# Altium PCB PCB2.PcbDoc (part 3 of 5)
Units mil, origin at the board's own origin, x right, y up, seen from the top; angles counter-clockwise.
Board outline 7251.01 x 4901 mil, 2 copper layers (Top Layer, Bottom Layer); 561 components, 222 nets, 3589 pads, 148 vias.
Unrouted connection lines stored in the file: 457.
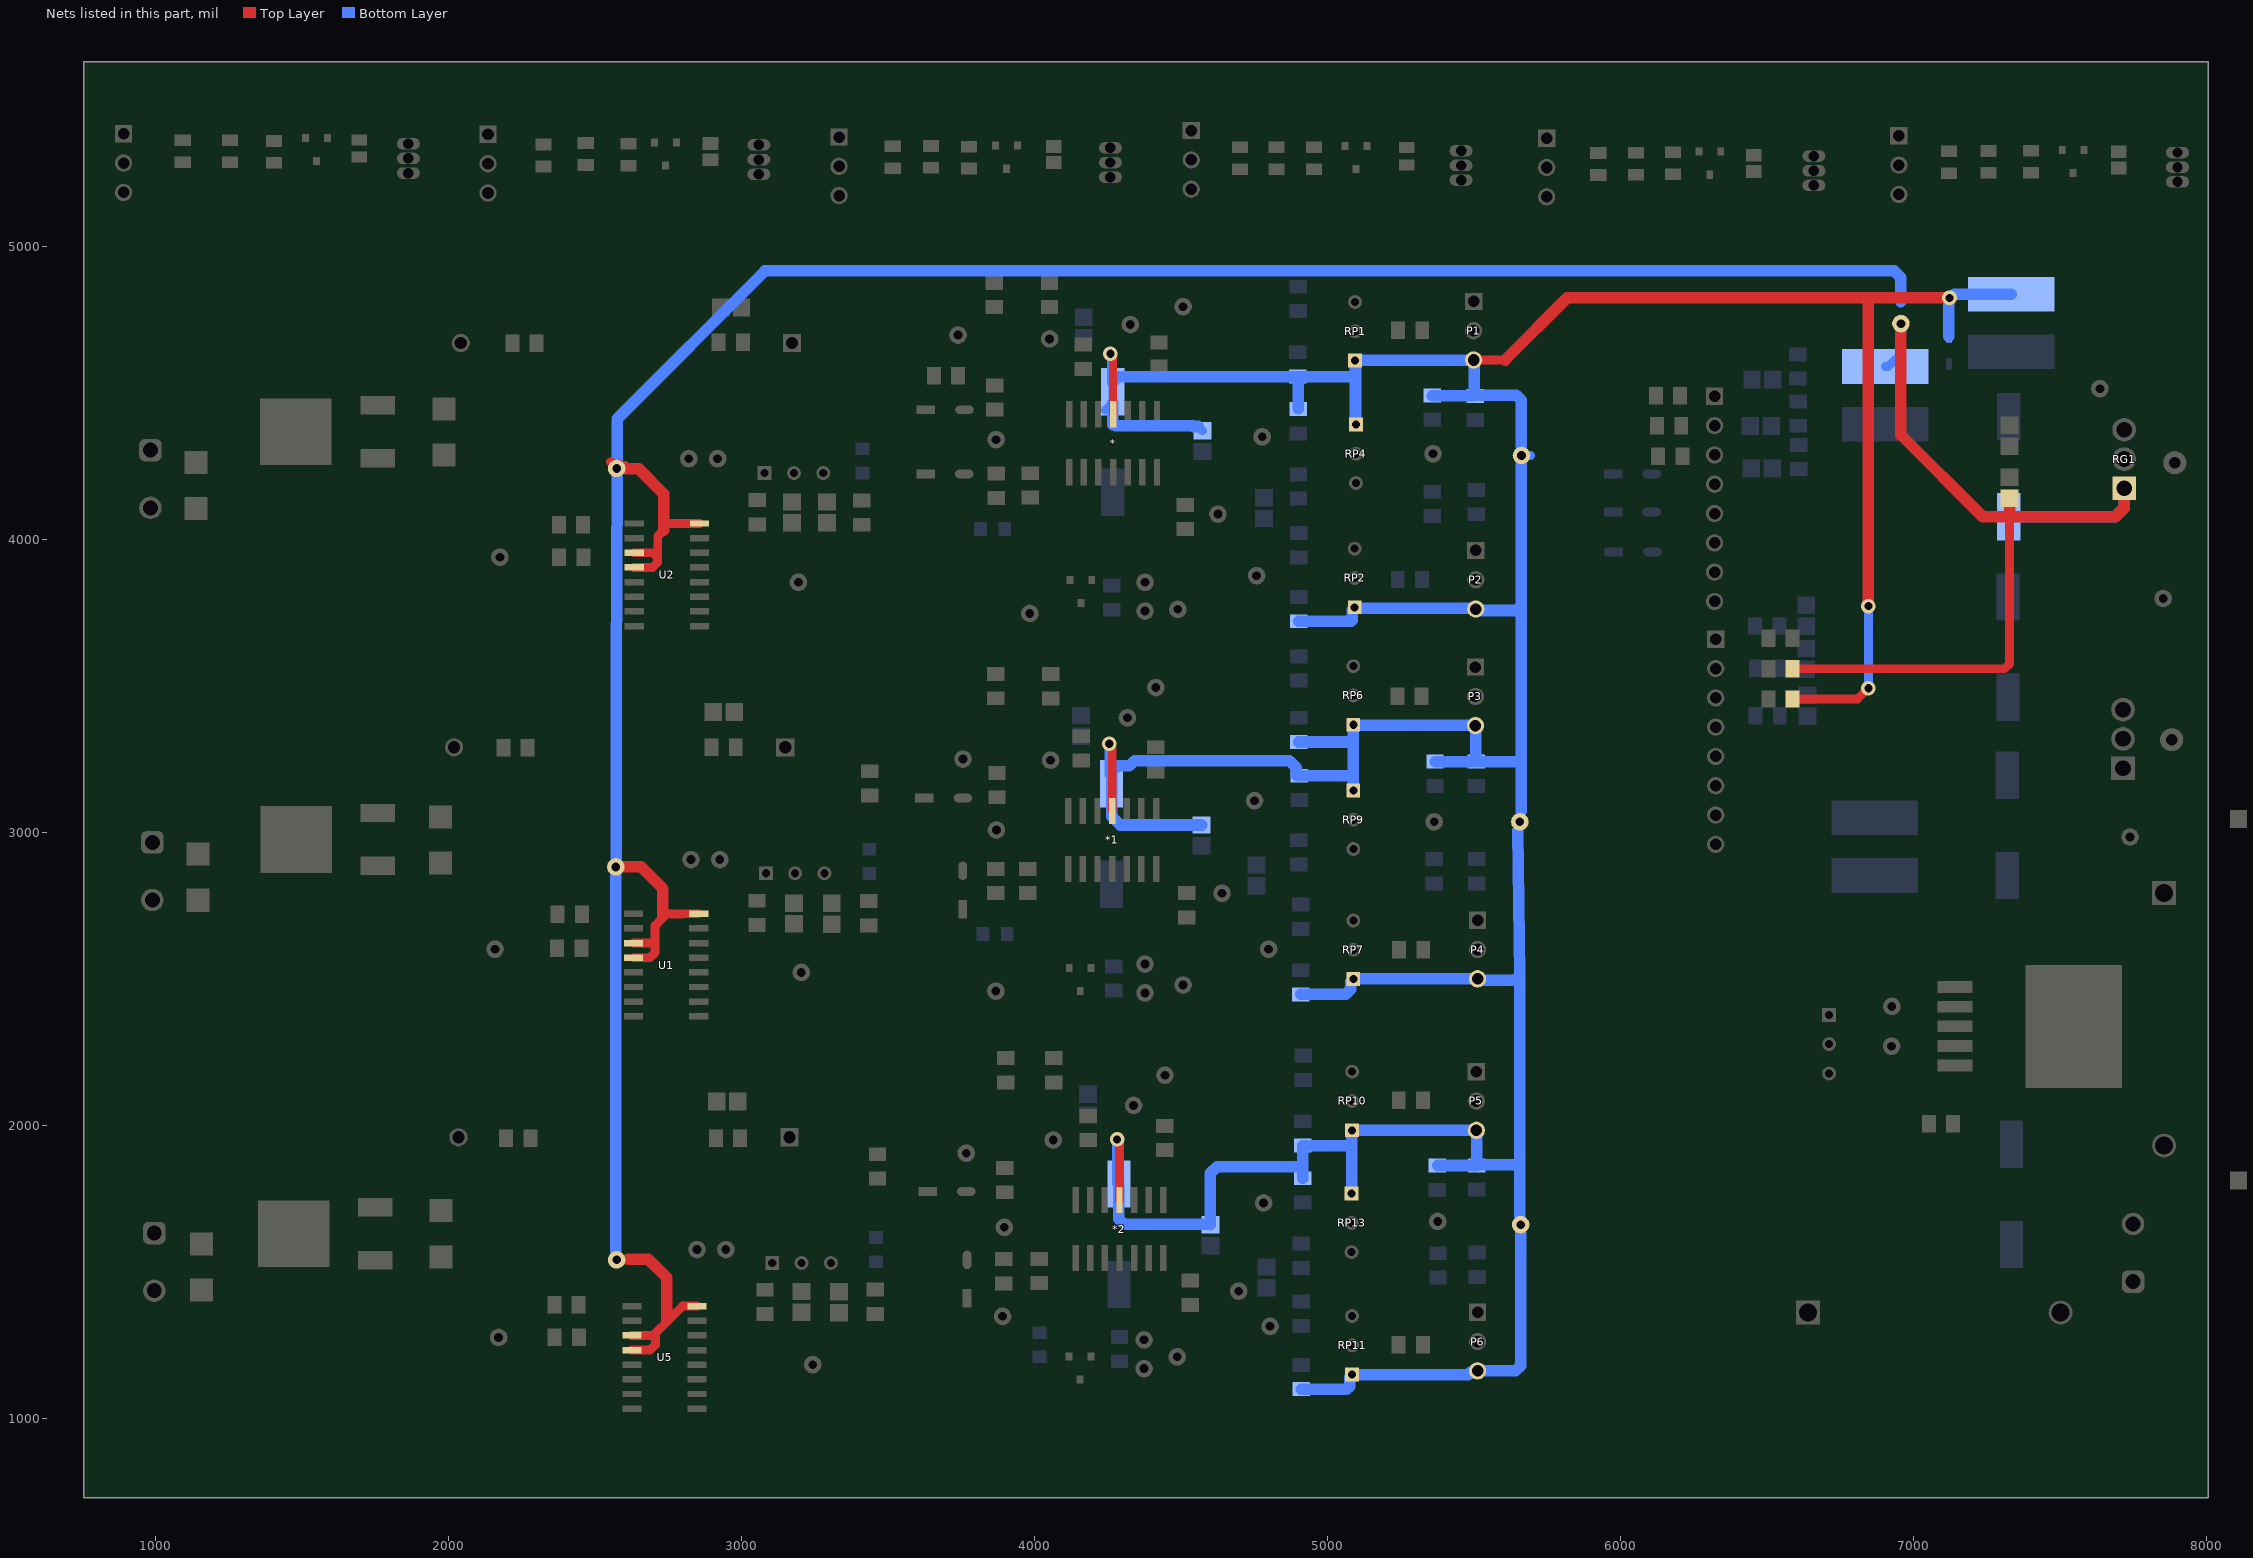
[diagram p3: the nets of this part, all layers, seen from the top]

## Free pads (board coordinates)
  round 10 on Mech6: 1(742,3635) 1(748,2297) 1(7991,2297)
  round 0.98 on Mech7: 1(779.96,3975.65) 1(779.96,3975.65) 1(779.96,4432.35) 1(779.96,4432.35) 1(783.28,2638.07) 1(783.28,2638.07) 1(783.28,3094.76) 1(783.28,3094.76) 1(789.96,1304.65) 1(789.96,1304.65) 1(789.96,1761.35) 1(789.96,1761.35) 1(945.31,4204) 1(948.63,2866.42) 1(955.32,1533) 1(965,4184.31) 1(965,4223.68) 1(968.31,2846.73) 1(968.31,2886.1) 1(975,1513.32) 1(975,1552.69) 1(984.68,4204) 1(988,2866.42) 1(994.69,1533) 1(1150.04,3975.65) 1(1150.04,3975.65) 1(1150.04,4432.35) 1(1150.04,4432.35) 1(1153.35,2638.07) 1(1153.35,2638.07) 1(1153.35,3094.76) 1(1153.35,3094.76) 1(1160.04,1304.65) 1(1160.04,1304.65) 1(1160.04,1761.35) 1(1160.04,1761.35) 1(7583.65,1792.78) 1(7583.65,1792.78) 1(7749,1564.43) 1(7768.69,1544.75) 1(7768.69,1584.12) 1(7788.37,1564.43) 1(7953.73,1336.09) 1(7953.73,1336.09) 1(7953.73,1792.78) 1(7953.73,1792.78)
  round 3.94 on Mech14: 1(787.83,4007.15) 1(787.83,4007.15) 1(787.83,4400.85) 1(787.83,4400.85) 1(791.15,2669.57) 1(791.15,2669.57) 1(791.15,3063.27) 1(791.15,3063.27) 1(797.83,1336.15) 1(797.83,1336.15) 1(797.83,1729.85) 1(797.83,1729.85) 1(815.4,3983.52) 1(815.4,3983.52) 1(818.72,2645.94) 1(818.72,2645.94) 1(825.24,4007.15) 1(825.24,4007.15) 1(825.4,1312.52) 1(825.4,1312.52) 1(828.55,2669.57) 1(828.55,2669.57) 1(835.24,1336.15) 1(835.24,1336.15) 1(852.8,4007.15) 1(852.81,4007.15) 1(856.11,2669.57) 1(856.13,2669.57) 1(862.65,3983.52) 1(862.65,3983.52) 1(862.8,1336.15) 1(862.81,1336.15) 1(865.96,2645.94) 1(865.96,2645.94) 1(872.65,1312.52) 1(872.65,1312.52) 1(1020.12,4424.48) 1(1020.12,4424.48) 1(1023.43,3086.89) 1(1023.43,3086.89) 1(1029.95,4400.85) 1(1029.95,4400.85) 1(1030.12,1753.48) 1(1030.12,1753.48) 1(1033.27,3063.27) 1(1033.27,3063.27) 1(1039.95,1729.85) 1(1039.95,1729.85) 1(1057.52,4400.85) 1(1057.53,4400.85) 1(1060.83,3063.27) 1(1060.84,3063.27) 1(1067.36,4424.48) 1(1067.36,4424.48) 1(1067.52,1729.85) 1(1067.53,1729.85) 1(1070.68,3086.89) 1(1070.68,3086.89) 1(1077.36,1753.48) 1(1077.36,1753.48) 1(1142.17,4007.15) 1(1142.17,4007.15) 1(1142.17,4400.85) 1(1142.17,4400.85) 1(1145.48,2669.57) 1(1145.48,2669.57) 1(1145.48,3063.27) 1(1145.48,3063.27) 1(1152.17,1336.15) 1(1152.17,1336.15) 1(1152.17,1729.85) 1(1152.17,1729.85) 1(2985.48,4127.17) 1(2985.48,4127.17) 1(2985.48,4322.44) 1(2985.48,4322.44) 1(2989.48,2761.36) 1(2989.48,2761.36) 1(2989.48,2956.64) 1(2989.48,2956.64) 1(3011.48,1431.17) 1(3011.48,1431.17) 1(3011.48,1626.44) 1(3011.48,1626.44) 1(3370.52,4127.17) 1(3370.52,4127.17) 1(3370.52,4322.44) 1(3370.52,4322.44) 1(3374.52,2761.36) 1(3374.52,2761.36) 1(3374.52,2956.64) 1(3374.52,2956.64) 1(3396.52,1431.17) 1(3396.52,1431.17) 1(3396.52,1626.44) 1(3396.52,1626.44) 1(6330.2,4517.55) 1(6605.8,4517.55) 1(6613.17,2083.48) 1(6613.17,2083.48) 1(6613.17,2468.52) 1(6613.17,2468.52) 1(6747.2,2954.45) 1(6808.44,2083.48) 1(6808.44,2083.48) 1(6808.44,2468.52) 1(6808.44,2468.52) 1(7116.24,2875.1) 1(7116.24,2875.1) 1(7116.24,3225.5) 1(7116.24,3225.5) 1(7119.24,3428.24) 1(7119.24,3428.24) 1(7119.24,3778.64) 1(7119.24,3778.64) 1(7121.24,4099.36) 1(7121.24,4099.36) 1(7121.24,4449.76) 1(7121.24,4449.76) 1(7127.24,1400.36) 1(7127.24,1400.36) 1(7217.62,2819.98) 1(7217.62,2819.98) 1(7220.62,3833.76) 1(7220.62,3833.76) 1(7222.62,4044.24) 1(7222.62,4044.24) 1(7240.26,2819.98) 1(7240.26,3225.5) 1(7243.26,3428.24) 1(7243.26,3833.76) 1(7245.26,4044.24) 1(7245.26,4449.76) 1(7319,2747.15) 1(7319,2747.15) 1(7319,2747.15) 1(7319,2751.09) 1(7319,2751.09) 1(7319,2751.09) 1(7322,3902.65) 1(7322,3902.65) 1(7322,3902.65) 1(7322,3906.59) 1(7322,3906.59) 1(7322,3906.59) 1(7324,3971.41) 1(7324,3971.41) 1(7324,3971.41) 1(7324,3975.35) 1(7324,3975.35) 1(7324,3975.35) 1(7397.74,2819.98) 1(7397.74,3225.5) 1(7400.74,3428.24) 1(7400.74,3833.76) 1(7402.74,4044.24) 1(7402.74,4449.76) 1(7408.74,1750.76) 1(7420.38,2819.98) 1(7420.38,2819.98) 1(7423.38,3833.76) 1(7423.38,3833.76) 1(7425.38,4044.24) 1(7425.38,4044.24) 1(7521.76,2875.1) 1(7521.76,2875.1) 1(7521.76,3225.5) 1(7521.76,3225.5) 1(7524.76,3428.24) 1(7524.76,3428.24) 1(7524.76,3778.64) 1(7524.76,3778.64) 1(7526.76,4099.36) 1(7526.76,4099.36) 1(7526.76,4449.76) 1(7526.76,4449.76) 1(7532.76,1400.36) 1(7532.76,1400.36) 1(7532.76,1750.76) 1(7532.76,1750.76) 1(7591.52,1761.28) 1(7591.52,1761.28) 1(7871.04,1784.91) 1(7871.04,1784.91) 1(7880.87,1761.28) 1(7880.89,1761.28) 1(7908.45,1761.28) 1(7908.45,1761.28) 1(7918.28,1784.91) 1(7918.28,1784.91) 1(7945.85,1367.58) 1(7945.85,1367.58) 1(7945.85,1761.28) 1(7945.85,1761.28)
  round 40 on Mech11: 1(837,4783) 1(907,1024) 1(1077,4783) 1(1147,1024) 1(7640,979) 1(7680,4782) 1(7880,979) 1(7920,4782)
  round 40 on Mech10: 1(838,4786) 1(909,1024) 1(1078,4786) 1(1149,1024) 1(7641,976) 1(7677,4783) 1(7881,976) 1(7917,4783)
  round 240 on Mech11: 1(957,4783) 1(1027,1024) 1(7760,979) 1(7800,4782)
  round 240 on Mech10: 1(958,4786) 1(1029,1024) 1(7761,976) 1(7797,4783)
  round 3.94 on Mech4: 1(1075.58,4060.95) 1(1075.58,4060.95) 1(1075.58,4060.95) 1(1075.58,4060.95) 1(1075.58,4305.05) 1(1075.58,4305.05) 1(1075.58,4305.05) 1(1075.58,4305.05) 1(1082.58,2723.95) 1(1082.58,2723.95) 1(1082.58,2723.95) 1(1082.58,2723.95) 1(1082.58,2968.05) 1(1082.58,2968.05) 1(1082.58,2968.05) 1(1082.58,2968.05) 1(1094.58,1392.95) 1(1094.58,1392.95) 1(1094.58,1392.95) 1(1094.58,1392.95) 1(1094.58,1637.05) 1(1094.58,1637.05) 1(1094.58,1637.05) 1(1094.58,1637.05) 1(1198.42,4060.95) 1(1198.42,4060.95) 1(1198.42,4060.95) 1(1198.42,4060.95) 1(1198.42,4305.05) 1(1198.42,4305.05) 1(1198.42,4305.05) 1(1198.42,4305.05) 1(1205.42,2723.95) 1(1205.42,2723.95) 1(1205.42,2723.95) 1(1205.42,2723.95) 1(1205.42,2968.05) 1(1205.42,2968.05) 1(1205.42,2968.05) 1(1205.42,2968.05) 1(1217.42,1392.95) 1(1217.42,1392.95) 1(1217.42,1392.95) 1(1217.42,1392.95) 1(1217.42,1637.05) 1(1217.42,1637.05) 1(1217.42,1637.05) 1(1217.42,1637.05) 1(1344.02,1492.58) 1(1344.02,1492.58) 1(1344.02,1492.58) 1(1344.02,1492.58) 1(1344.02,1765.42) 1(1344.02,1765.42) 1(1344.02,1765.42) 1(1344.02,1765.42) 1(1353.02,2838.58) 1(1353.02,2838.58) 1(1353.02,2838.58) 1(1353.02,2838.58) 1(1353.02,3111.42) 1(1353.02,3111.42) 1(1353.02,3111.42) 1(1353.02,3111.42) 1(1388.02,4229.58) 1(1388.02,4229.58) 1(1388.02,4229.58) 1(1388.02,4229.58) 1(1388.02,4502.42) 1(1388.02,4502.42) 1(1388.02,4502.42) 1(1388.02,4502.42) 1(1812.13,1492.58) 1(1812.13,1492.58) 1(1812.13,1492.58) 1(1812.13,1492.58) 1(1812.13,1765.42) 1(1812.13,1765.42) 1(1812.13,1765.42) 1(1812.13,1765.42) 1(1821.13,2838.58) 1(1821.13,2838.58) 1(1821.13,2838.58) 1(1821.13,2838.58) 1(1821.13,3111.42) 1(1821.13,3111.42) 1(1821.13,3111.42) 1(1821.13,3111.42) 1(1856.13,4229.58) 1(1856.13,4229.58) 1(1856.13,4229.58) 1(1856.13,4229.58) 1(1856.13,4502.42) 1(1856.13,4502.42) 1(1856.13,4502.42) 1(1856.13,4502.42) 1(1910.58,2850.95) 1(1910.58,2850.95) 1(1910.58,2850.95) 1(1910.58,2850.95) 1(1910.58,3095.05) 1(1910.58,3095.05) 1(1910.58,3095.05) 1(1910.58,3095.05) 1(1912.58,1506.95) 1(1912.58,1506.95) 1(1912.58,1506.95) 1(1912.58,1506.95) 1(1912.58,1751.05) 1(1912.58,1751.05) 1(1912.58,1751.05) 1(1912.58,1751.05) 1(1921.58,4242.95) 1(1921.58,4242.95) 1(1921.58,4242.95) 1(1921.58,4242.95) 1(1921.58,4487.05) 1(1921.58,4487.05) 1(1921.58,4487.05) 1(1921.58,4487.05) 1(2033.42,2850.95) 1(2033.42,2850.95) 1(2033.42,2850.95) 1(2033.42,2850.95) 1(2033.42,3095.05) 1(2033.42,3095.05) 1(2033.42,3095.05) 1(2033.42,3095.05) 1(2035.42,1506.95) 1(2035.42,1506.95) 1(2035.42,1506.95) 1(2035.42,1506.95) 1(2035.42,1751.05) 1(2035.42,1751.05) 1(2035.42,1751.05) 1(2035.42,1751.05) 1(2044.42,4242.95) 1(2044.42,4242.95) 1(2044.42,4242.95) 1(2044.42,4242.95) 1(2044.42,4487.05) 1(2044.42,4487.05) 1(2044.42,4487.05) 1(2044.42,4487.05) 1(2142.56,3237.63) 1(2142.56,3237.63) 1(2142.56,3237.63) 1(2142.56,3237.63) 1(2142.56,3336.37) 1(2142.56,3336.37) 1(2142.56,3336.37) 1(2142.56,3336.37) 1(2152.19,1905.63) 1(2152.19,1905.63) 1(2152.19,1905.63) 1(2152.19,1905.63) 1(2152.19,2004.37) 1(2152.19,2004.37) 1(2152.19,2004.37) 1(2152.19,2004.37) 1(2173.56,4618.63) 1(2173.56,4618.63) 1(2173.56,4618.63) 1(2173.56,4618.63) 1(2173.56,4717.37) 1(2173.56,4717.37) 1(2173.56,4717.37) 1(2173.56,4717.37) 1(2312.18,3237.63) 1(2312.18,3237.63) 1(2312.18,3237.63) 1(2312.18,3237.63) 1(2312.18,3336.37) 1(2312.18,3336.37) 1(2312.18,3336.37) 1(2312.18,3336.37) 1(2316.82,1337.63) 1(2316.82,1337.63) 1(2316.82,1337.63) 1(2316.82,1337.63) 1(2316.82,1436.37) 1(2316.82,1436.37) 1(2316.82,1436.37) 1(2316.82,1436.37) 1(2317.82,1226.63) 1(2317.82,1226.63) 1(2317.82,1226.63) 1(2317.82,1226.63) 1(2317.82,1325.37) 1(2317.82,1325.37) 1(2317.82,1325.37) 1(2317.82,1325.37) 1(2321.81,1905.63) 1(2321.81,1905.63) 1(2321.81,1905.63) 1(2321.81,1905.63) 1(2321.81,2004.37) 1(2321.81,2004.37) 1(2321.81,2004.37) 1(2321.81,2004.37) 1(2326.19,2554.63) 1(2326.19,2554.63) 1(2326.19,2554.63) 1(2326.19,2554.63) 1(2326.19,2653.37) 1(2326.19,2653.37) 1(2326.19,2653.37) 1(2326.19,2653.37) 1(2327.82,2669.63) 1(2327.82,2669.63) 1(2327.82,2669.63) 1(2327.82,2669.63) 1(2327.82,2768.37) 1(2327.82,2768.37) 1(2327.82,2768.37) 1(2327.82,2768.37) 1(2332.19,3999.63) 1(2332.19,3999.63) 1(2332.19,3999.63) 1(2332.19,3999.63) 1(2332.19,4098.37) 1(2332.19,4098.37) 1(2332.19,4098.37) 1(2332.19,4098.37) 1(2333.19,3888.63) 1(2333.19,3888.63) 1(2333.19,3888.63) 1(2333.19,3888.63) 1(2333.19,3987.37) 1(2333.19,3987.37) 1(2333.19,3987.37) 1(2333.19,3987.37) 1(2343.18,4618.63) 1(2343.18,4618.63) 1(2343.18,4618.63) 1(2343.18,4618.63) 1(2343.18,4717.37) 1(2343.18,4717.37) 1(2343.18,4717.37) 1(2343.18,4717.37) 1(2486.44,1337.63) 1(2486.44,1337.63) 1(2486.44,1337.63) 1(2486.44,1337.63) 1(2486.44,1436.37) 1(2486.44,1436.37) 1(2486.44,1436.37) 1(2486.44,1436.37) 1(2487.44,1226.63) 1(2487.44,1226.63) 1(2487.44,1226.63) 1(2487.44,1226.63) 1(2487.44,1325.37) 1(2487.44,1325.37) 1(2487.44,1325.37) 1(2487.44,1325.37) 1(2495.81,2554.63) 1(2495.81,2554.63) 1(2495.81,2554.63) 1(2495.81,2554.63) 1(2495.81,2653.37) 1(2495.81,2653.37) 1(2495.81,2653.37) 1(2495.81,2653.37) 1(2497.44,2669.63) 1(2497.44,2669.63) 1(2497.44,2669.63) 1(2497.44,2669.63) 1(2497.44,2768.37) 1(2497.44,2768.37) 1(2497.44,2768.37) 1(2497.44,2768.37) 1(2501.81,3999.63) 1(2501.81,3999.63) 1(2501.81,3999.63) 1(2501.81,3999.63) 1(2501.81,4098.37) 1(2501.81,4098.37) 1(2501.81,4098.37) 1(2501.81,4098.37) 1(2502.81,3888.63) 1(2502.81,3888.63) 1(2502.81,3888.63) 1(2502.81,3888.63) 1(2502.81,3987.37) 1(2502.81,3987.37) 1(2502.81,3987.37) 1(2502.81,3987.37) 1(2853.19,3239.63) 1(2853.19,3239.63) 1(2853.19,3239.63) 1(2853.19,3239.63) 1(2853.19,3338.37) 1(2853.19,3338.37) 1(2853.19,3338.37) 1(2853.19,3338.37) 1(2868.19,1905.63) 1(2868.19,1905.63) 1(2868.19,1905.63) 1(2868.19,1905.63) 1(2868.19,2004.37) 1(2868.19,2004.37) 1(2868.19,2004.37) 1(2868.19,2004.37) 1(2877.19,4621.63) 1(2877.19,4621.63) 1(2877.19,4621.63) 1(2877.19,4621.63) 1(2877.19,4720.37) 1(2877.19,4720.37) 1(2877.19,4720.37) 1(2877.19,4720.37) 1(2981.54,4123.23) 1(2981.54,4123.23) 1(2981.54,4123.23) 1(2981.54,4123.23) 1(2981.54,4326.38) 1(2981.54,4326.38) 1(2981.54,4326.38) 1(2981.54,4326.38) 1(2985.54,2757.43) 1(2985.54,2757.43) 1(2985.54,2757.43) 1(2985.54,2757.43) 1(2985.54,2960.57) 1(2985.54,2960.57) 1(2985.54,2960.57) 1(2985.54,2960.57) 1(3002.63,2639.19) 1(3002.63,2639.19) 1(3002.63,2639.19) 1(3002.63,2639.19) 1(3002.63,2808.81) 1(3002.63,2808.81) 1(3002.63,2808.81) 1(3002.63,2808.81) 1(3003.63,4006.82) 1(3003.63,4006.82) 1(3003.63,4006.82) 1(3003.63,4006.82) 1(3003.63,4176.44) 1(3003.63,4176.44) 1(3003.63,4176.44) 1(3003.63,4176.44) 1(3007.54,1427.23) 1(3007.54,1427.23) 1(3007.54,1427.23) 1(3007.54,1427.23) 1(3007.54,1630.38) 1(3007.54,1630.38) 1(3007.54,1630.38) 1(3007.54,1630.38) 1(3022.81,3239.63) 1(3022.81,3239.63) 1(3022.81,3239.63) 1(3022.81,3239.63) 1(3022.81,3338.37) 1(3022.81,3338.37) 1(3022.81,3338.37) 1(3022.81,3338.37) 1(3029.63,1311.56) 1(3029.63,1311.56) 1(3029.63,1311.56) 1(3029.63,1311.56) 1(3029.63,1481.18) 1(3029.63,1481.18) 1(3029.63,1481.18) 1(3029.63,1481.18) 1(3037.81,1905.63) 1(3037.81,1905.63) 1(3037.81,1905.63) 1(3037.81,1905.63) 1(3037.81,2004.37) 1(3037.81,2004.37) 1(3037.81,2004.37) 1(3037.81,2004.37) 1(3046.81,4621.63) 1(3046.81,4621.63) 1(3046.81,4621.63) 1(3046.81,4621.63) 1(3046.81,4720.37) 1(3046.81,4720.37) 1(3046.81,4720.37) 1(3046.81,4720.37) 1(3101.37,2639.19) 1(3101.37,2639.19) 1(3101.37,2639.19) 1(3101.37,2639.19) 1(3101.37,2808.81) 1(3101.37,2808.81) 1(3101.37,2808.81) 1(3101.37,2808.81) 1(3102.37,4006.82) 1(3102.37,4006.82) 1(3102.37,4006.82) 1(3102.37,4006.82) 1(3102.37,4176.44) 1(3102.37,4176.44) 1(3102.37,4176.44) 1(3102.37,4176.44) 1(3121.68,4006.23) 1(3121.68,4006.23) 1(3121.68,4006.23) 1(3121.68,4006.23) 1(3121.68,4175.77) 1(3121.68,4175.77) 1(3121.68,4175.77) 1(3121.68,4175.77) 1(3127.68,2637.23) 1(3127.68,2637.23) 1(3127.68,2637.23) 1(3127.68,2637.23) 1(3127.68,2806.77) 1(3127.68,2806.77) 1(3127.68,2806.77) 1(3127.68,2806.77) 1(3128.37,1311.56) 1(3128.37,1311.56) 1(3128.37,1311.56) 1(3128.37,1311.56) 1(3128.37,1481.18) 1(3128.37,1481.18) 1(3128.37,1481.18) 1(3128.37,1481.18) 1(3152.68,1311.77) 1(3152.68,1311.77) 1(3152.68,1311.77) 1(3152.68,1311.77) 1(3152.68,1481.3) 1(3152.68,1481.3) 1(3152.68,1481.3) 1(3152.68,1481.3) 1(3222.32,4006.23) 1(3222.32,4006.23) 1(3222.32,4006.23) 1(3222.32,4006.23) 1(3222.32,4175.77) 1(3222.32,4175.77) 1(3222.32,4175.77) 1(3222.32,4175.77) 1(3228.32,2637.23) 1(3228.32,2637.23) 1(3228.32,2637.23) 1(3228.32,2637.23) 1(3228.32,2806.77) 1(3228.32,2806.77) 1(3228.32,2806.77) 1(3228.32,2806.77) 1(3240.68,4006.23) 1(3240.68,4006.23) 1(3240.68,4006.23) 1(3240.68,4006.23) 1(3240.68,4175.77) 1(3240.68,4175.77) 1(3240.68,4175.77) 1(3240.68,4175.77) 1(3253.32,1311.77) 1(3253.32,1311.77) 1(3253.32,1311.77) 1(3253.32,1311.77) 1(3253.32,1481.3) 1(3253.32,1481.3) 1(3253.32,1481.3) 1(3253.32,1481.3) 1(3256.68,2636.23) 1(3256.68,2636.23) 1(3256.68,2636.23) 1(3256.68,2636.23) 1(3256.68,2805.77) 1(3256.68,2805.77) 1(3256.68,2805.77) 1(3256.68,2805.77) 1(3280.68,1310.23) 1(3280.68,1310.23) 1(3280.68,1310.23) 1(3280.68,1310.23) 1(3280.68,1479.77) 1(3280.68,1479.77) 1(3280.68,1479.77) 1(3280.68,1479.77) 1(3341.32,4006.23) 1(3341.32,4006.23) 1(3341.32,4006.23) 1(3341.32,4006.23) 1(3341.32,4175.77) 1(3341.32,4175.77) 1(3341.32,4175.77) 1(3341.32,4175.77) 1(3357.32,2636.23) 1(3357.32,2636.23) 1(3357.32,2805.77) 1(3357.32,2805.77) 1(3357.32,2636.23) 1(3357.32,2636.23) 1(3357.32,2805.77) 1(3357.32,2805.77) 1(3360.63,4005.19) 1(3360.63,4005.19) 1(3360.63,4005.19) 1(3360.63,4005.19) 1(3360.63,4174.81) 1(3360.63,4174.81) 1(3360.63,4174.81) 1(3360.63,4174.81) 1(3374.46,4123.23) 1(3374.46,4123.23) 1(3374.46,4123.23) 1(3374.46,4123.23) 1(3374.46,4326.38) 1(3374.46,4326.38) 1(3374.46,4326.38) 1(3374.46,4326.38) 1(3378.46,2757.43) 1(3378.46,2757.43) 1(3378.46,2757.43) 1(3378.46,2757.43) 1(3378.46,2960.57) 1(3378.46,2960.57) 1(3378.46,2960.57) 1(3378.46,2960.57) 1(3381.32,1310.23) 1(3381.32,1310.23) 1(3381.32,1479.77) 1(3381.32,1479.77) 1(3381.32,1310.23) 1(3381.32,1310.23) 1(3381.32,1479.77) 1(3381.32,1479.77) 1(3381.49,4200.07) 1(3381.49,4200.07) 1(3381.49,4200.07) 1(3381.49,4200.07) 1(3381.49,4333.93) 1(3381.49,4333.93) 1(3381.49,4333.93) 1(3381.49,4333.93) 1(3383.63,2638.19) 1(3383.63,2638.19) 1(3383.63,2638.19) 1(3383.63,2638.19) 1(3383.63,2807.81) 1(3383.63,2807.81) 1(3383.63,2807.81) 1(3383.63,2807.81) 1(3400.46,1427.23) 1(3400.46,1427.23) 1(3400.46,1427.23) 1(3400.46,1427.23) 1(3400.46,1630.38) 1(3400.46,1630.38) 1(3400.46,1630.38) 1(3400.46,1630.38) 1(3404.49,2833.07) 1(3404.49,2833.07) 1(3404.49,2833.07) 1(3404.49,2833.07) 1(3404.49,2966.93) 1(3404.49,2966.93) 1(3404.49,2966.93) 1(3404.49,2966.93) 1(3406.63,1312.19) 1(3406.63,1312.19) 1(3406.63,1312.19) 1(3406.63,1312.19) 1(3406.63,1481.81) 1(3406.63,1481.81) 1(3406.63,1481.81) 1(3406.63,1481.81) 1(3427.49,1508.07) 1(3427.49,1508.07) 1(3427.49,1508.07) 1(3427.49,1508.07) 1(3427.49,1641.93) 1(3427.49,1641.93) 1(3427.49,1641.93) 1(3427.49,1641.93) 1(3442.51,4200.07) 1(3442.51,4200.07) 1(3442.51,4200.07) 1(3442.51,4200.07) 1(3442.51,4333.93) 1(3442.51,4333.93) 1(3442.51,4333.93) 1(3442.51,4333.93) 1(3459.37,4005.19) 1(3459.37,4005.19) 1(3459.37,4005.19) 1(3459.37,4005.19) 1(3459.37,4174.81) 1(3459.37,4174.81) 1(3459.37,4174.81) 1(3459.37,4174.81) 1(3465.51,2833.07) 1(3465.51,2833.07) 1(3465.51,2833.07) 1(3465.51,2833.07) 1(3465.51,2966.93) 1(3465.51,2966.93) 1(3465.51,2966.93) 1(3465.51,2966.93) 1(3480.63,4005.19) 1(3480.63,4005.19) 1(3480.63,4005.19) 1(3480.63,4005.19) 1(3480.63,4174.81) 1(3480.63,4174.81) 1(3480.63,4174.81) 1(3480.63,4174.81) 1(3482.37,2638.19) 1(3482.37,2638.19) 1(3482.37,2638.19) 1(3482.37,2638.19) 1(3482.37,2807.81) 1(3482.37,2807.81) 1(3482.37,2807.81) 1(3482.37,2807.81) 1(3488.51,1508.07) 1(3488.51,1508.07) 1(3488.51,1508.07) 1(3488.51,1508.07) 1(3488.51,1641.93) 1(3488.51,1641.93) 1(3488.51,1641.93) 1(3488.51,1641.93) 1(3502.63,2639.19) 1(3502.63,2639.19) 1(3502.63,2639.19) 1(3502.63,2639.19) 1(3502.63,2808.81) 1(3502.63,2808.81) 1(3502.63,2808.81) 1(3502.63,2808.81) 1(3505.37,1312.19) 1(3505.37,1312.19) 1(3505.37,1312.19) 1(3505.37,1312.19) 1(3505.37,1481.81) 1(3505.37,1481.81) 1(3505.37,1481.81) 1(3505.37,1481.81) 1(3579.37,4005.19) 1(3579.37,4005.19) 1(3579.37,4005.19) 1(3579.37,4005.19) 1(3579.37,4174.81) 1(3579.37,4174.81) 1(3579.37,4174.81) 1(3579.37,4174.81) 1(3601.37,2639.19) 1(3601.37,2639.19) 1(3601.37,2639.19) 1(3601.37,2639.19) 1(3601.37,2808.81) 1(3601.37,2808.81) 1(3601.37,2808.81) 1(3601.37,2808.81) 1(6609.23,2079.54) 1(6609.23,2079.54) 1(6609.23,2079.54) 1(6609.23,2079.54) 1(6609.23,2472.46) 1(6609.23,2472.46) 1(6609.23,2472.46) 1(6609.23,2472.46) 1(6812.38,2079.54) 1(6812.38,2079.54) 1(6812.38,2079.54) 1(6812.38,2079.54) 1(6812.38,2472.46) 1(6812.38,2472.46) 1(6812.38,2472.46) 1(6812.38,2472.46) 1(7008.19,1955.63) 1(7008.19,1955.63) 1(7008.19,1955.63) 1(7008.19,1955.63) 1(7008.19,2054.37) 1(7008.19,2054.37) 1(7008.19,2054.37) 1(7008.19,2054.37) 1(7076.71,2123.22) 1(7076.71,2123.22) 1(7076.71,2123.22) 1(7076.71,2123.22) 1(7177.81,1955.63) 1(7177.81,1955.63) 1(7177.81,1955.63) 1(7177.81,1955.63) 1(7177.81,2054.37) 1(7177.81,2054.37) 1(7177.81,2054.37) 1(7177.81,2054.37) 1(7276.68,4090.23) 1(7276.68,4090.23) 1(7276.68,4090.23) 1(7276.68,4090.23) 1(7276.68,4259.77) 1(7276.68,4259.77) 1(7276.68,4259.77) 1(7276.68,4259.77) 1(7276.68,4267.77) 1(7276.68,4267.77) 1(7276.68,4267.77) 1(7276.68,4267.77) 1(7276.68,4437.3) 1(7276.68,4437.3) 1(7276.68,4437.3) 1(7276.68,4437.3) 1(7377.32,4090.23) 1(7377.32,4090.23) 1(7377.32,4090.23) 1(7377.32,4090.23) 1(7377.32,4259.77) 1(7377.32,4259.77) 1(7377.32,4259.77) 1(7377.32,4259.77) 1(7377.32,4267.77) 1(7377.32,4267.77) 1(7377.32,4267.77) 1(7377.32,4267.77) 1(7377.32,4437.3) 1(7377.32,4437.3) 1(7377.32,4437.3) 1(7377.32,4437.3) 1(7715.29,2123.22) 1(7715.29,2123.22) 1(7715.29,2123.22) 1(7715.29,2123.22) 1(7715.29,2550.78) 1(7715.29,2550.78) 1(7715.29,2550.78) 1(7715.29,2550.78)
  round 2.95 on Mech8: 1(1079.52,4093.04) 1(1079.52,4093.04) 1(1079.52,4272.96) 1(1079.52,4272.96) 1(1086.52,2756.04) 1(1086.52,2756.04) 1(1086.52,2935.96) 1(1086.52,2935.96) 1(1098.52,1425.04) 1(1098.52,1425.04) 1(1098.52,1604.96) 1(1098.52,1604.96) 1(1194.48,4093.04) 1(1194.48,4093.04) 1(1194.48,4272.96) 1(1194.48,4272.96) 1(1201.48,2756.04) 1(1201.48,2756.04) 1(1201.48,2935.96) 1(1201.48,2935.96) 1(1213.48,1425.04) 1(1213.48,1425.04) 1(1213.48,1604.96) 1(1213.48,1604.96) 1(1914.52,2883.04) 1(1914.52,2883.04) 1(1914.52,3062.96) 1(1914.52,3062.96) 1(1916.52,1539.04) 1(1916.52,1539.04) 1(1916.52,1718.96) 1(1916.52,1718.96) 1(1925.52,4275.04) 1(1925.52,4275.04) 1(1925.52,4454.96) 1(1925.52,4454.96) 1(2029.48,2883.04) 1(2029.48,2883.04) 1(2029.48,3062.96) 1(2029.48,3062.96) 1(2031.48,1539.04) 1(2031.48,1539.04) 1(2031.48,1718.96) 1(2031.48,1718.96) 1(2040.48,4275.04) 1(2040.48,4275.04) 1(2040.48,4454.96) 1(2040.48,4454.96)
  round 3.94 on Mech6: 1(1079.52,4093.04) 1(1079.52,4272.96) 1(1082.67,4163.32) 1(1086.52,2756.04) 1(1086.52,2935.96) 1(1089.67,2826.32) 1(1098.52,1425.04) 1(1098.52,1604.96) 1(1101.67,1495.32) 1(1191.33,4163.32) 1(1194.48,4093.04) 1(1194.48,4272.96) 1(1198.33,2826.32) 1(1201.48,2756.04) 1(1201.48,2935.96) 1(1210.33,1495.32) 1(1213.48,1425.04) 1(1213.48,1604.96) 1(1424.92,1496.52) 1(1424.92,1496.52) 1(1424.92,1500.06) 1(1424.92,1757.94) 1(1424.92,1761.48) 1(1424.92,1761.48) 1(1433.92,2842.52) 1(1433.92,2842.52) 1(1433.92,2846.06) 1(1433.92,3103.94) 1(1433.92,3107.48) 1(1433.92,3107.48) 1(1468.92,4233.52) 1(1468.92,4233.52) 1(1468.92,4237.06) 1(1468.92,4494.94) 1(1468.92,4498.48) 1(1468.92,4498.48) 1(1669.8,1496.52) 1(1669.8,1496.52) 1(1669.8,1761.48) 1(1669.8,1761.48) 1(1678.8,2842.52) 1(1678.8,2842.52) 1(1678.8,3107.48) 1(1678.8,3107.48) 1(1713.8,4233.52) 1(1713.8,4233.52) 1(1713.8,4498.48) 1(1713.8,4498.48) 1(1914.52,2883.04) 1(1914.52,3062.96) 1(1916.52,1539.04) 1(1916.52,1718.96) 1(1917.67,2992.69) 1(1919.67,1648.69) 1(1925.52,4275.04) 1(1925.52,4454.96) 1(1928.67,4384.68) 1(2026.33,2992.69) 1(2028.33,1648.69) 1(2029.48,2883.04) 1(2029.48,3062.96) 1(2031.48,1539.04) 1(2031.48,1718.96) 1(2037.33,4384.68) 1(2040.48,4275.04) 1(2040.48,4454.96) 1(2224.51,3262.39) 1(2224.51,3311.61) 1(2230.23,3262.39) 1(2230.23,3311.61) 1(2234.14,1930.39) 1(2234.14,1979.61) 1(2239.86,1930.39) 1(2239.86,1979.61) 1(2255.51,4643.39) 1(2255.51,4692.61) 1(2261.23,4643.39) 1(2261.23,4692.61) 1(2398.77,1362.39) 1(2398.77,1411.61) 1(2399.77,1251.39) 1(2399.77,1300.61) 1(2404.49,1362.39) 1(2404.49,1411.61) 1(2405.49,1251.39) 1(2405.49,1300.61) 1(2408.14,2579.39) 1(2408.14,2628.61) 1(2409.77,2694.39) 1(2409.77,2743.61) 1(2413.86,2579.39) 1(2413.86,2628.61) 1(2414.14,4024.39) 1(2414.14,4073.61) 1(2415.14,3913.39) 1(2415.14,3962.61) 1(2415.49,2694.39) 1(2415.49,2743.61) 1(2419.86,4024.39) 1(2419.86,4073.61) 1(2420.86,3913.39) 1(2420.86,3962.61) 1(2935.14,3264.39) 1(2935.14,3313.61) 1(2940.86,3264.39) 1(2940.86,3313.61) 1(2950.14,1930.39) 1(2950.14,1979.61) 1(2955.86,1930.39) 1(2955.86,1979.61) 1(2959.14,4646.39) 1(2959.14,4695.61) 1(2964.86,4646.39) 1(2964.86,4695.61) 1(3027.39,2721.14) 1(3027.39,2726.86) 1(3028.39,4088.77) 1(3028.39,4094.49) 1(3054.39,1393.51) 1(3054.39,1399.23) 1(3076.61,2721.14) 1(3076.61,2726.86) 1(3077.61,4088.77) 1(3077.61,4094.49) 1(3103.61,1393.51) 1(3103.61,1399.23) 1(3125.62,4025.92) 1(3125.62,4156.08) 1(3131.62,2656.92) 1(3131.62,2787.08) 1(3156.62,1331.45) 1(3156.62,1461.62) 1(3218.38,4025.92) 1(3218.38,4156.08) 1(3224.38,2656.92) 1(3224.38,2787.08) 1(3244.62,4025.92) 1(3244.62,4156.08) 1(3249.38,1331.45) 1(3249.38,1461.62) 1(3260.62,2655.92) 1(3260.62,2786.08) 1(3284.62,1329.92) 1(3284.62,1460.08) 1(3337.38,4025.92) 1(3337.38,4156.08) 1(3353.38,2655.92) 1(3353.38,2786.08) 1(3377.38,1329.92) 1(3377.38,1460.08) 1(3385.39,4087.14) 1(3385.39,4092.86) 1(3385.43,4262.08) 1(3385.43,4271.92) 1(3408.39,2720.14) 1(3408.39,2725.86) 1(3408.43,2895.08) 1(3408.43,2904.92) 1(3431.39,1394.14) 1(3431.39,1399.86) 1(3431.43,1570.08) 1(3431.43,1579.92) 1(3434.61,4087.14) 1(3434.61,4092.86) 1(3438.57,4262.08) 1(3438.57,4271.92) 1(3457.61,2720.14) 1(3457.61,2725.86) 1(3461.57,2895.08) 1(3461.57,2904.92) 1(3480.61,1394.14) 1(3480.61,1399.86) 1(3484.57,1570.08) 1(3484.57,1579.92) 1(3505.39,4087.14) 1(3505.39,4092.86) 1(3527.39,2721.14) 1(3527.39,2726.86) 1(3554.61,4087.14) 1(3554.61,4092.86) 1(3576.61,2721.14) 1(3576.61,2726.86) 1(7090.14,1980.39) 1(7090.14,2029.61) 1(7095.86,1980.39) 1(7095.86,2029.61) 1(7260.52,2135.5) 1(7260.52,2135.5) 1(7260.52,2538.5) 1(7260.52,2538.5) 1(7280.62,4109.92) 1(7280.62,4240.08) 1(7280.62,4287.45) 1(7280.62,4417.62) 1(7366.67,2135.5) 1(7366.67,2538.5) 1(7373.38,4109.92) 1(7373.38,4240.08) 1(7373.38,4287.45) 1(7373.38,4417.62)